# KiCad board signalmesh.kicad_pcb (continued)
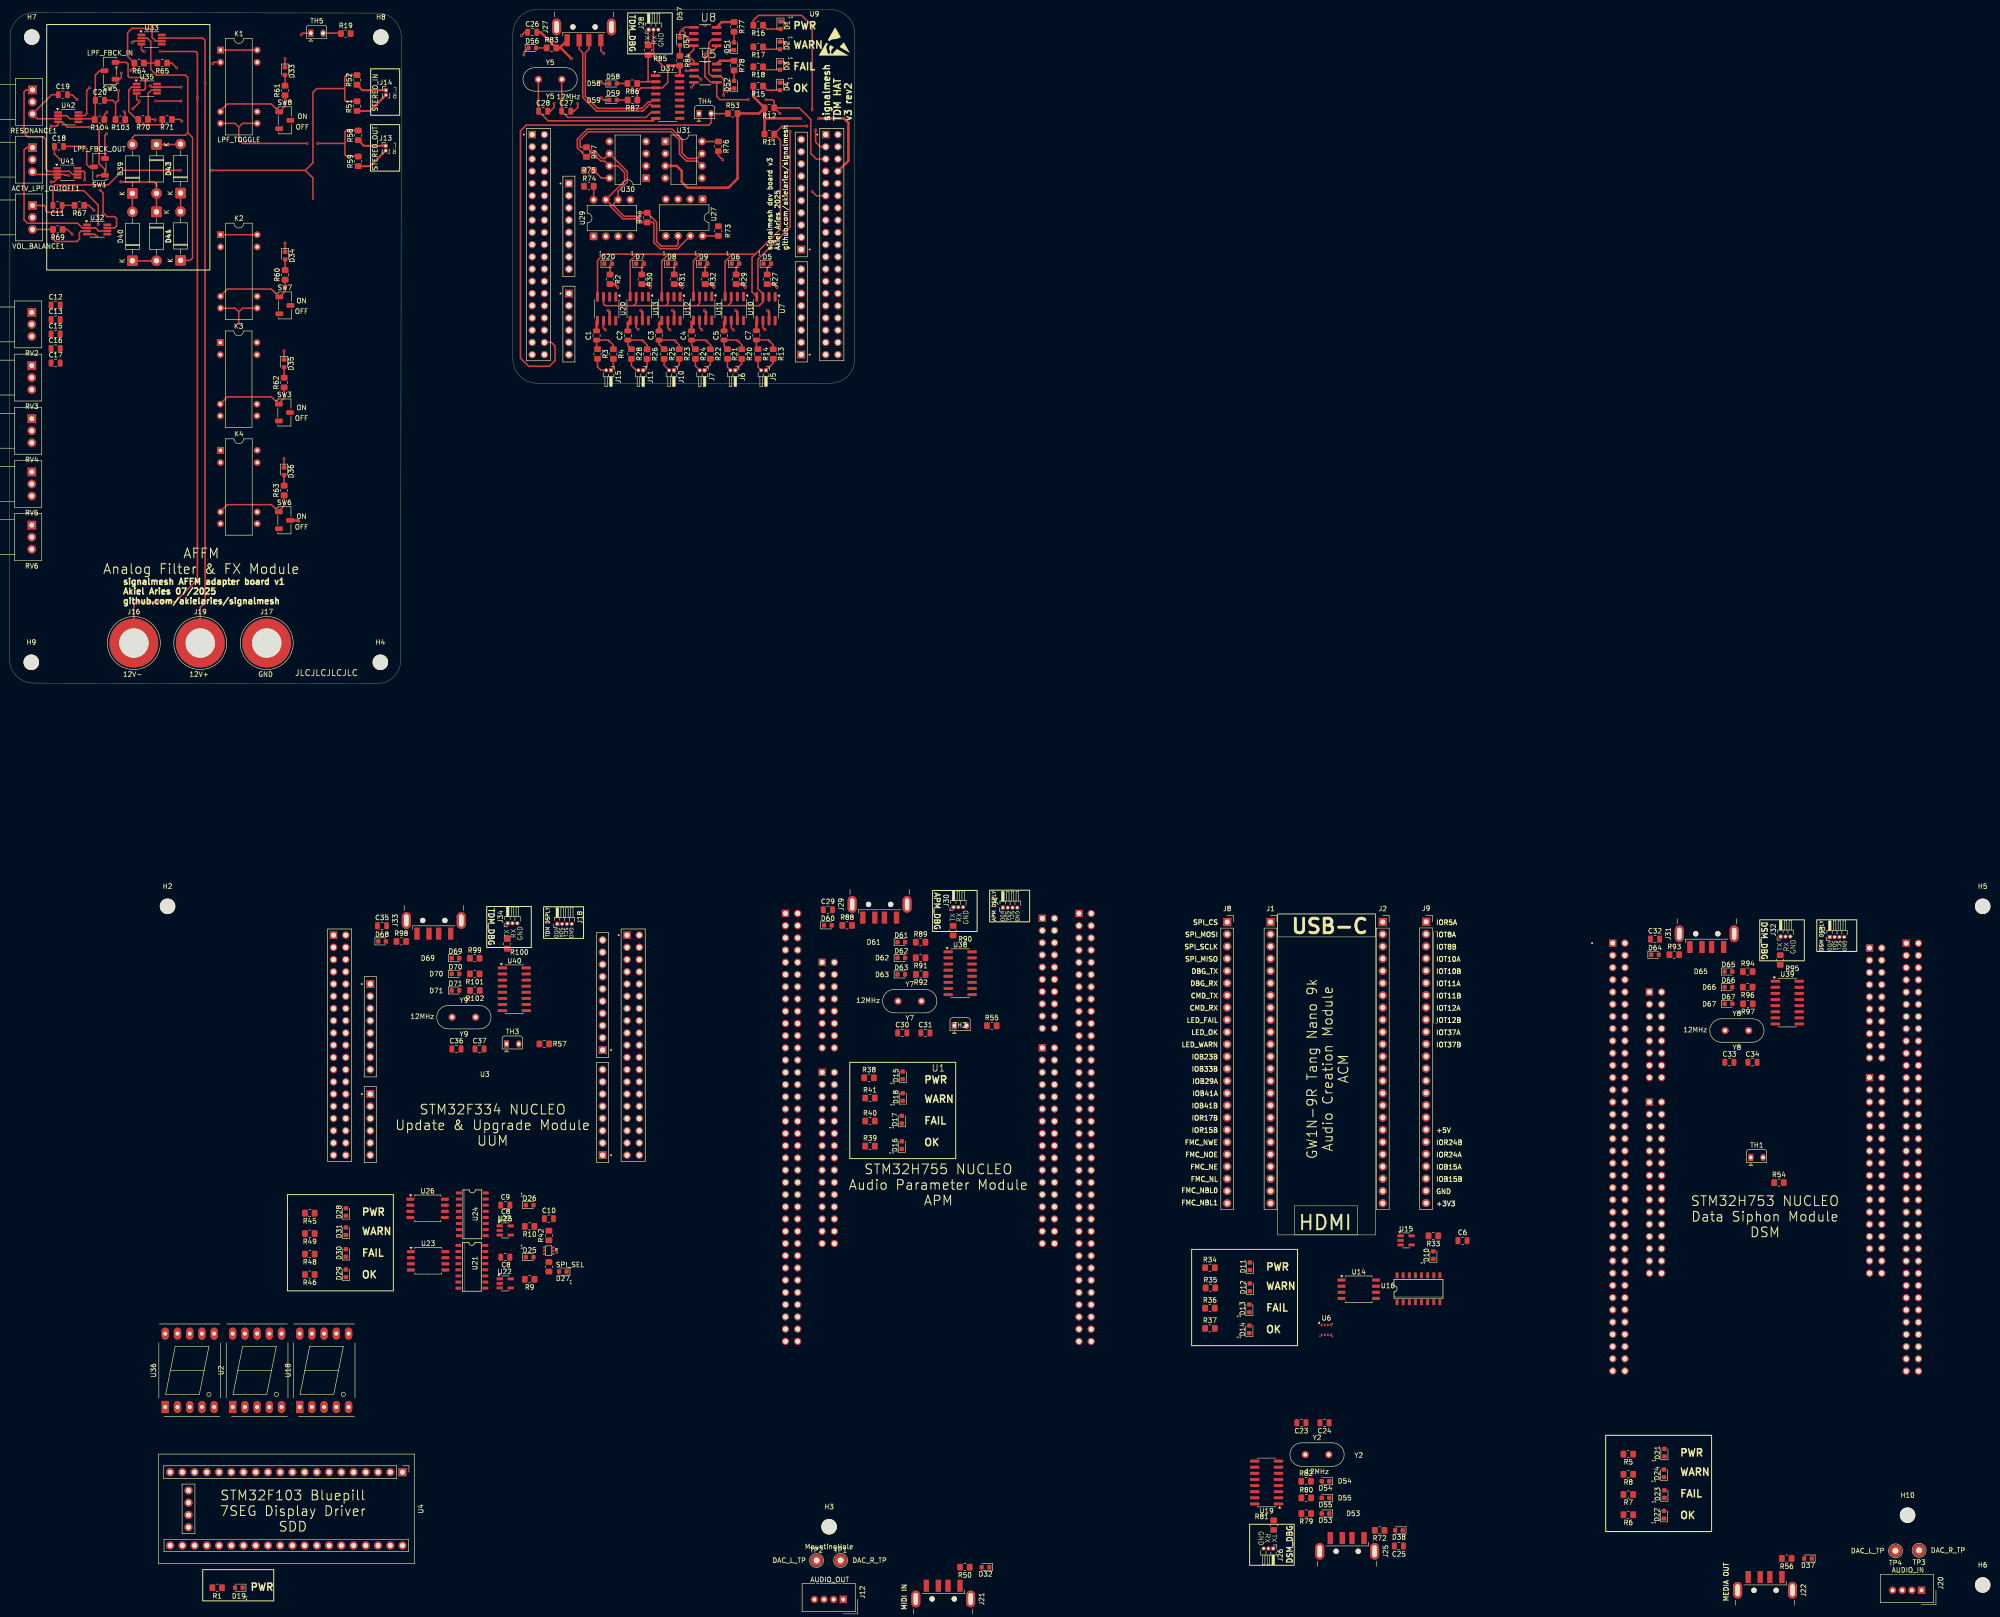
[diagram p0: board, top side]
## Placement (name value [footprint] x y rotation side) (continued)
TP2  DAC_L_TP  [TestPoint_THTPad_D2.5mm_Drill1.2mm]  167.6 -182.19 0 top
TP3  DAC_R_TP  [TestPoint_THTPad_D2.5mm_Drill1.2mm]  396.6 -180.09 270 top
TP4  DAC_L_TP  [TestPoint_THTPad_D2.5mm_Drill1.2mm]  391.7 -180.19 270 top
U1  NUCLEO-H753ZI  [MODULE_NUCLEO-H753ZI]  192.89 -82.69 0 top
U2  SM420561N  [7SegmentLED_LTS6760_LTS6780]  46.32 -150.31 90 top
U3  NUCLEO-F303RE  [ST_NUCLEO-F303RE]  99.03 -61.78 0 top
U4  YAAJ_BluePill_Part_Like  [YAAJ_WeAct_BlackPill_SWD_2]  81.6 -163.85 270 top
U5  24LC256-I_SN  [SOIC127P600X175-8N]  144.5 126.81 0 top
U6  BME280  [Bosch_LGA-8_2.5x2.5mm_P0.65mm_ClockwisePinNumbering]  273.48 -134.29 0 top
U7  INA219AxD  [SOIC-8_3.9x4.9mm_P1.27mm]  157.09 77.87 270 top
U8  24LC256-I_SN  [SOIC127P600X175-8N]  144.46 134.43 0 top
U9  NUCLEO-F446RE  [MODULE_NUCLEO-F446RE]  140.29 104.54 0 top
U10  INA219AxD  [SOIC-8_3.9x4.9mm_P1.27mm]  150.51 77.92 270 top
U11  INA219AxD  [SOIC-8_3.9x4.9mm_P1.27mm]  143.94 77.94 270 top
U12  INA219AxD  [SOIC-8_3.9x4.9mm_P1.27mm]  137.36 77.88 270 top
U13  INA219AxD  [SOIC-8_3.9x4.9mm_P1.27mm]  130.78 77.9 270 top
U14  W25Q128JVS  [SOIC-8_5.3x5.3mm_P1.27mm]  280.21 -125.85 0 top
U15  AP2112K-3.3  [SOT-23-5]  290.05 -115.7 0 top
U16  74HC4050D  [SO16]  292.62 -125.75 0 top
U17  NUCLEO-H753ZI  [MODULE_NUCLEO-H753ZI]  364.71 -88.86 0 top
U18  SM420561N  [7SegmentLED_LTS6760_LTS6780]  60.24 -150.31 90 top
U19  CH340G  [SOIC-16_3.9x9.9mm_P1.27mm]  261.07 -165.99 180 top
U20  INA219AxD  [SOIC-8_3.9x4.9mm_P1.27mm]  123.99 77.87 270 top
U21  74HC4050D  [SO16]  96 -121.18 270 top
U22  AP2112K-3.3  [SOT-23-5]  102.94 -124.63 0 top
U23  W25Q128JVS  [SOIC-8_5.3x5.3mm_P1.27mm]  86.92 -119.93 0 top
U24  74HC4050D  [SO16]  96.1 -110.28 270 top
U25  AP2112K-3.3  [SOT-23-5]  102.94 -113.63 0 top
U26  W25Q128JVS  [SOIC-8_5.3x5.3mm_P1.27mm]  86.81 -109.03 0 top
U27  MCP2551-I-P  [DIP-8_W7.62mm]  143.92 100.62 270 top
U28  74LVC1G3157  [SC70-6]  111.96 -117.83 270 top
U29  MCP2551-I-P  [DIP-8_W7.62mm]  121.29 92.91 90 top
U30  MCP2551-I-P  [DIP-8_W7.62mm]  132.21 105 180 top
U31  MCP2551-I-P  [DIP-8_W7.62mm]  136.19 112.62 0 top
U32  OPA196xDGK  [VSSOP-8_3x3mm_P0.65mm]  18.17 94.34 0 top
U33  OPA196xDGK  [VSSOP-8_3x3mm_P0.65mm]  29.49 133.79 0 top
U35  OPA196xDGK  [VSSOP-8_3x3mm_P0.65mm]  28.5 123.59 0 top
U36  SM420561N  [7SegmentLED_LTS6760_LTS6780]  32.32 -150.31 90 top
U37  CH340G  [SOIC-16_3.9x9.9mm_P1.27mm]  136.68 121.86 0 top
U38  CH340G  [SOIC-16_3.9x9.9mm_P1.27mm]  197.43 -60.18 0 top
U39  CH340G  [SOIC-16_3.9x9.9mm_P1.27mm]  369.23 -66.28 0 top
U40  CH340G  [SOIC-16_3.9x9.9mm_P1.27mm]  104.82 -63.52 0 top
U41  OPA196xDGK  [VSSOP-8_3x3mm_P0.65mm]  12 106.09 0 top
U42  OPA196xDGK  [VSSOP-8_3x3mm_P0.65mm]  12.17 117.67 0 top
VOL_BALANCE1  100k  [Potentiometer_Alps_RK09Y11_Single_Horizontal]  4.75 99.34 0 top
Y2  12MHz  [Crystal_HC49-4H_Vertical]  273.99 -160.19 180 top
Y5  12MHz  [Crystal_HC49-4H_Vertical]  114.7 125.51 180 top
Y7  12MHz  [Crystal_HC49-4H_Vertical]  184.51 -65.99 0 top
Y8  12MHz  [Crystal_HC49-4H_Vertical]  356.31 -72.09 0 top
Y9  12MHz  [Crystal_HC49-4H_Vertical]  91.91 -69.32 0 top

## Library data of the parts
ACTV_LPF_CUTOFF1 RESONANCE1 RV2-RV6 VOL_BALANCE1 = -: Description: Potentiometer; ki_fp_filters: Potentiometer*
C1-C13 C15-C20 C23-C37 = -: Description: Unpolarized capacitor, small symbol; ki_fp_filters: C_*
D1-D38 D51-D71 = -: Description: Light emitting diode; Sim.Pins: 1=K 2=A; ki_fp_filters: LED* LED_SMD:* LED_THT:*
D39-D44 = -: Datasheet: http://www.vishay.com/docs/88503/1n4001.pdf; Description: 50V 1A General Purpose Rectifier Diode, DO-41; Sim.Device: D; Sim.Pins: 1=K 2=A; ki_fp_filters: D*DO?41*
H2-H10 = -: Description: Mounting Hole without connection; ki_fp_filters: MountingHole*
J1 J2 J8 J9 = -: Description: Generic connector, single row, 01x24, script generated (kicad-library-utils/schlib/autogen/connector/); DigiKey_Part_Number: S7057-ND; Price: 1.142; ki_fp_filters: Connector*:*_1x??_*
J3 J4 J12 J18 J20 = -: Description: Generic connector, single row, 01x04, script generated (kicad-library-utils/schlib/autogen/connector/); ki_fp_filters: Connector*:*_1x??_*
J5-J7 J10 J11 J13-J15 = -: Description: Generic connector, single row, 01x02, script generated (kicad-library-utils/schlib/autogen/connector/); ki_fp_filters: Connector*:*_1x??_*
J16 J17 J19 = -: Description: Generic connector, single row, 01x01, script generated; ki_fp_filters: Connector*:*_1x??_*
J21 J22 J25 J27 J29 J31 J33 = -: Description: USB Type A connector; ki_fp_filters: USB*
J26 J28 J30 J32 J34 = -: Description: Generic connector, single row, 01x03, script generated (kicad-library-utils/schlib/autogen/connector/); ki_fp_filters: Connector*:*_1x??_*
K1-K4 = -: Datasheet: https://standexelectronics.com/wp-content/uploads/datasheet_reed_relay_DIP.pdf; Description: Standex Meder DIP reed relay, SPST, Closing Contact; ki_fp_filters: Relay*StandexMeder*DIP*LowProfile*
R1-R65 R67 R69-R104 = -: Description: Resistor; DigiKey_Part_Number: 311-10.0KCRCT-ND; Price: 0.0129; ki_fp_filters: R_*
SW1 SW3 SW5-SW8 = -: Datasheet: https://www.nidec-components.com/e/catalog/switch/cas.pdf; Description: Switch, single pole double throw; ki_fp_filters: *Nidec?Copal?CAS?120A*
TH1-TH5 = -: Description: Temperature dependent resistor; ki_fp_filters: R_*
TP1-TP4 = -: Description: test point; ki_fp_filters: Pin* Test*
U1 U17 = -: MF: STMicroelectronics; Description_1: STM32H753ZI Nucleo-144 STM32H7 ARM® Cortex®-M7 MCU 32-Bit Embedded Evaluation Board; Package: None; Price: None; Check_prices: https://www.snapeda.com/parts/NUCLEO-H753ZI/STMicroelectronics/view-part/?ref=eda; STANDARD: Manufacturer Recommendations; PARTREV: Rev. 2; SnapEDA_Link: https://www.snapeda.com/parts/NUCLEO-H753ZI/STMicroelectronics/view-part/?ref=snap; Availability: In Stock; MANUFACTURER: STMicroelectronics
U2 U18 U36 = -: Datasheet: https://datasheet.lcsc.com/szlcsc/Wuxi-ARK-Tech-Elec-SM420561N_C141367.pdf; Description: One digit 7 segment blue LED, common cathode; ki_fp_filters: 7SegmentLED?LTS6760?LTS6780*
U3 = -: MF: STMicroelectronics; MAXIMUM_PACKAGE_HEIGHT: N/A; Package: None; Price: None; Check_prices: https://www.snapeda.com/parts/NUCLEO-F303RE/STMicroelectronics/view-part/?ref=eda; STANDARD: Manufacturer recommendations; PARTREV: 14; SnapEDA_Link: https://www.snapeda.com/parts/NUCLEO-F303RE/STMicroelectronics/view-part/?ref=snap; Description_1: STM32F303RE, mbed-Enabled Development Nucleo-64 STM32F3 ARM® Cortex®-M4 MCU 32-Bit Embedded Evaluation Board; Availability: In Stock; MANUFACTURER: STMicroelectronics
U4 = -: Description: STM32 Blue Pill ; not KLC compliant
U5 U8 = -: MF: Microchip; Description_1: Microchip 24LC256-I/SN Serial EEPROM Memory,256kbit,900ns,2.5 to 5.5V 8-Pin SOIC | Microchip Technology Inc. 24LC256-I/SN; PACKAGE: SOIC-8; MPN: 24LC256-I/SN; Price: None; Package: SO-8 Microchip; OC_FARNELL: 1579573; SnapEDA_Link: https://www.snapeda.com/parts/24LC256-I/SN/Microchip/view-part/?ref=snap; MP: 24LC256-I/SN; SUPPLIER: MICROCHIP; OC_NEWARK: 92C7171; Availability: In Stock; Check_prices: https://www.snapeda.com/parts/24LC256-I/SN/Microchip/view-part/?ref=eda
U6 = -: Datasheet: https://www.bosch-sensortec.com/media/boschsensortec/downloads/datasheets/bst-bme280-ds002.pdf; Description: 3-in-1 sensor, humidity, pressure, temperature, I2C and SPI interface, 1.71-3.6V, LGA-8; ki_fp_filters: *LGA*2.5x2.5mm*P0.65mm*Clockwise*
U7 U10-U13 U20 = -: Datasheet: http://www.ti.com/lit/ds/symlink/ina219.pdf; Description: Zero-Drift, Bidirectional Current/Power Monitor (0-26V) With I2C Interface, SOIC-8; ki_fp_filters: SOIC*3.9x4.9mm*P1.27mm*
U9 = -: MF: STMicroelectronics; Package: None; Price: None; Check_prices: https://www.snapeda.com/parts/NUCLEO-F446RE/STMicroelectronics/view-part/?ref=eda; STANDARD: Manufacturer Recommendations; PARTREV: 13; SnapEDA_Link: https://www.snapeda.com/parts/NUCLEO-F446RE/STMicroelectronics/view-part/?ref=snap; Description_1: STM32F446RE, mbed-Enabled Development Nucleo-64 STM32F4 ARM® Cortex®-M4 MCU 32-Bit Embedded Evaluation Board; Availability: In Stock; MANUFACTURER: STMicroelectronics
U14 U23 U26 = -: Datasheet: https://www.winbond.com/resource-files/w25q128jv_dtr%20revc%2003272018%20plus.pdf; Description: 128Mbit / 16MiB Serial Flash Memory, Standard/Dual/Quad SPI, 2.7-3.6V, SOIC-8; ki_fp_filters: *SOIC*5.3x5.3mm*P1.27mm*
U15 U22 U25 = -: Datasheet: https://www.diodes.com/assets/Datasheets/AP2112.pdf; Description: 600mA low dropout linear regulator, with enable pin, 3.8V-6V input voltage range, 3.3V fixed positive output, SOT-23-5; ki_fp_filters: SOT?23?5*
U16 U21 U24 = -: MF: Toshiba; Description_1: Buffer, Non-Inverting 6 Element 1 Bit per Element - Output 16-SOIC; Package: SOIC-16 ON Semiconductor; Price: None; SnapEDA_Link: https://www.snapeda.com/parts/74HC4050D/Toshiba/view-part/?ref=snap; Availability: In Stock; Check_prices: https://www.snapeda.com/parts/74HC4050D/Toshiba/view-part/?ref=eda
U19 U37-U40 = -: Datasheet: http://www.datasheet5.com/pdf-local-2195953; Description: USB serial converter, UART, SOIC-16; ki_fp_filters: SOIC*3.9x9.9mm*P1.27mm*
U27 U29-U31 = -: Datasheet: http://ww1.microchip.com/downloads/en/devicedoc/21667d.pdf; Description: High-Speed CAN Transceiver, 1Mbps, 5V supply, DIP-8; ki_fp_filters: DIP*W7.62mm*
U28 = -: Datasheet: http://www.ti.com/lit/sg/scyt129e/scyt129e.pdf; Description: SPDT Analog Switch, Low-Voltage CMOS; ki_fp_filters: SOT* SC*
U32 U33 U35 U41 U42 = -: Datasheet: http://www.ti.com/lit/ds/symlink/opa4196.pdf; Description: Single, Low-Power, Low Offset Voltage, Rail-to-Rail Operational Amplifier, VSSOP-8; ki_fp_filters: VSSOP*3x3mm*P0.65mm*
Y2 Y5 Y7-Y9 = -: Description: Two pin crystal; ki_fp_filters: Crystal*

## Footprints (pads in the part's own frame, mm; a bottom-side part is the same pattern mirrored in y, then rotated)
7SegmentLED_LTS6760_LTS6780
  rect 2.524x1.524 hole 0.8: 1(0,0)
  oval 2.524x1.524 hole 0.8: 2(0,-2.54) 3(0,-5.08) 4(0,-7.62) 5(0,-10.16) 6(15.24,-10.16) 7(15.24,-7.62) 8(15.24,-5.08) 9(15.24,-2.54) 10(15.24,0)
Banana_Jack_1Pin
  round 10.16 hole 6.1: 1(0,0)
Bosch_LGA-8_2.5x2.5mm_P0.65mm_ClockwisePinNumbering
  rect 0.35x0.5 smd: 1(-0.975,1.025) 2(-0.325,1.025) 3(0.325,1.025) 4(0.975,1.025) 5(0.975,-1.025) 6(0.325,-1.025) 7(-0.325,-1.025) 8(-0.975,-1.025)
C_0805_2012Metric
  rrect 1x1.45 smd: 1(-0.95,0) 2(0.95,0)
Crystal_HC49-4H_Vertical
  round 1.5 hole 0.8: 1(0,0) 2(4.88,0)
D_DO-41_SOD81_P10.16mm_Horizontal
  rrect 2.2x2.2 hole 1.1: 1(0,0)
  round 2.2 hole 1.1: 2(10.16,0)
DIP-8_W7.62mm
  rrect 1.6x1.6 hole 0.8: 1(0,0)
  round 1.6 hole 0.8: 2(0,-2.54) 3(0,-5.08) 4(0,-7.62) 5(7.62,-7.62) 6(7.62,-5.08) 7(7.62,-2.54) 8(7.62,0)
Heraeus_TO-92-2
  rect 1.05x1.5 hole 0.75: 1(0,0)
  oval 1.05x1.5 hole 0.75: 2(2.54,0)
LED_0603_1608Metric
  rrect 0.875x0.95 smd: 1(-0.787,0) 2(0.787,0)
MODULE_NUCLEO-F446RE
  rect 1.605x1.605 hole 1.07: CN5_1(24.13,-14.37) CN6_1(-24.13,-0.65) CN8_1(-24.13,-23.51) CN9_1(24.13,-36.21)
  round 1.605 hole 1.07: CN5_2(24.13,-11.83) CN5_3(24.13,-9.29) CN5_4(24.13,-6.75) CN5_5(24.13,-4.21) CN5_6(24.13,-1.67) CN5_7(24.13,0.87) CN5_8(24.13,3.41) CN5_9(24.13,5.95) CN5_10(24.13,8.49) CN6_2(-24.13,-3.19) CN6_3(-24.13,-5.73) CN6_4(-24.13,-8.27) CN6_5(-24.13,-10.81) CN6_6(-24.13,-13.35) CN6_7(-24.13,-15.89) CN6_8(-24.13,-18.43) CN8_2(-24.13,-26.05) CN8_3(-24.13,-28.59) CN8_4(-24.13,-31.13) CN8_5(-24.13,-33.67) CN8_6(-24.13,-36.21) CN9_2(24.13,-33.67) CN9_3(24.13,-31.13) CN9_4(24.13,-28.59) CN9_5(24.13,-26.05) CN9_6(24.13,-23.51) CN9_7(24.13,-20.97) CN9_8(24.13,-18.43)
  rect 1.53x1.53 hole 1.02: CN7_1(-31.75,9.51) CN10_1(29.21,9.51)
  round 1.53 hole 1.02: CN7_2(-29.21,9.51) CN7_3(-31.75,6.97) CN7_4(-29.21,6.97) CN7_5(-31.75,4.43) CN7_6(-29.21,4.43) CN7_7(-31.75,1.89) CN7_8(-29.21,1.89) CN7_9(-31.75,-0.65) CN7_10(-29.21,-0.65) CN7_11(-31.75,-3.19) CN7_12(-29.21,-3.19) CN7_13(-31.75,-5.73) CN7_14(-29.21,-5.73) CN7_15(-31.75,-8.27) CN7_16(-29.21,-8.27) CN7_17(-31.75,-10.81) CN7_18(-29.21,-10.81) CN7_19(-31.75,-13.35) CN7_20(-29.21,-13.35) CN7_21(-31.75,-15.89) CN7_22(-29.21,-15.89) CN7_23(-31.75,-18.43) CN7_24(-29.21,-18.43) CN7_25(-31.75,-20.97) CN7_26(-29.21,-20.97) CN7_27(-31.75,-23.51) CN7_28(-29.21,-23.51) CN7_29(-31.75,-26.05) CN7_30(-29.21,-26.05) CN7_31(-31.75,-28.59) CN7_32(-29.21,-28.59) CN7_33(-31.75,-31.13) CN7_34(-29.21,-31.13) CN7_35(-31.75,-33.67) CN7_36(-29.21,-33.67) CN7_37(-31.75,-36.21) CN7_38(-29.21,-36.21) CN10_2(31.75,9.51) CN10_3(29.21,6.97) CN10_4(31.75,6.97) CN10_5(29.21,4.43) CN10_6(31.75,4.43) CN10_7(29.21,1.89) CN10_8(31.75,1.89) CN10_9(29.21,-0.65) CN10_10(31.75,-0.65) CN10_11(29.21,-3.19) CN10_12(31.75,-3.19) CN10_13(29.21,-5.73) CN10_14(31.75,-5.73) CN10_15(29.21,-8.27) CN10_16(31.75,-8.27) CN10_17(29.21,-10.81) CN10_18(31.75,-10.81) CN10_19(29.21,-13.35) CN10_20(31.75,-13.35) CN10_21(29.21,-15.89) CN10_22(31.75,-15.89) CN10_23(29.21,-18.43) CN10_24(31.75,-18.43) CN10_25(29.21,-20.97) CN10_26(31.75,-20.97) CN10_27(29.21,-23.51) CN10_28(31.75,-23.51) CN10_29(29.21,-26.05) CN10_30(31.75,-26.05) CN10_31(29.21,-28.59) CN10_32(31.75,-28.59) CN10_33(29.21,-31.13) CN10_34(31.75,-31.13) CN10_35(29.21,-33.67) CN10_36(31.75,-33.67) CN10_37(29.21,-36.21) CN10_38(31.75,-36.21)
MODULE_NUCLEO-H753ZI
  rect 1.508x1.508 hole 1: CN7_1(21.59,33.914) CN8_1(-24.13,24.77) CN9_1(-24.13,1.91) CN10_1(21.59,6.99) CN11_1(-31.75,34.93) CN12_1(29.21,34.91)
  round 1.508 hole 1: CN7_2(24.13,33.914) CN7_3(21.59,31.374) CN7_4(24.13,31.374) CN7_5(21.59,28.834) CN7_6(24.13,28.834) CN7_7(21.59,26.294) CN7_8(24.13,26.294) CN7_9(21.59,23.754) CN7_10(24.13,23.754) CN7_11(21.59,21.214) CN7_12(24.13,21.214) CN7_13(21.59,18.674) CN7_14(24.13,18.674) CN7_15(21.59,16.134) CN7_16(24.13,16.134) CN7_17(21.59,13.594) CN7_18(24.13,13.594) CN7_19(21.59,11.054) CN7_20(24.13,11.054) CN8_2(-21.59,24.77) CN8_3(-24.13,22.23) CN8_4(-21.59,22.23) CN8_5(-24.13,19.69) CN8_6(-21.59,19.69) CN8_7(-24.13,17.15) CN8_8(-21.59,17.15) CN8_9(-24.13,14.61) CN8_10(-21.59,14.61) CN8_11(-24.13,12.07) CN8_12(-21.59,12.07) CN8_13(-24.13,9.53) CN8_14(-21.59,9.53) CN8_15(-24.13,6.99) CN8_16(-21.59,6.99) CN9_2(-21.59,1.91) CN9_3(-24.13,-0.63) CN9_4(-21.59,-0.63) CN9_5(-24.13,-3.17) CN9_6(-21.59,-3.17) CN9_7(-24.13,-5.71) CN9_8(-21.59,-5.71) CN9_9(-24.13,-8.25) CN9_10(-21.59,-8.25) CN9_11(-24.13,-10.79) CN9_12(-21.59,-10.79) CN9_13(-24.13,-13.33) CN9_14(-21.59,-13.33) CN9_15(-24.13,-15.87) CN9_16(-21.59,-15.87) CN9_17(-24.13,-18.41) CN9_18(-21.59,-18.41) CN9_19(-24.13,-20.95) CN9_20(-21.59,-20.95) CN9_21(-24.13,-23.49) CN9_22(-21.59,-23.49) CN9_23(-24.13,-26.03) CN9_24(-21.59,-26.03) CN9_25(-24.13,-28.57) CN9_26(-21.59,-28.57) CN9_27(-24.13,-31.11) CN9_28(-21.59,-31.11) CN9_29(-24.13,-33.65) CN9_30(-21.59,-33.65) CN10_2(24.13,6.99) CN10_3(21.59,4.45) CN10_4(24.13,4.45) CN10_5(21.59,1.91) CN10_6(24.13,1.91) CN10_7(21.59,-0.63) CN10_8(24.13,-0.63) CN10_9(21.59,-3.17) CN10_10(24.13,-3.17) CN10_11(21.59,-5.71) CN10_12(24.13,-5.71) CN10_13(21.59,-8.25) CN10_14(24.13,-8.25) CN10_15(21.59,-10.79) CN10_16(24.13,-10.79) CN10_17(21.59,-13.33) CN10_18(24.13,-13.33) CN10_19(21.59,-15.87) CN10_20(24.13,-15.87) CN10_21(21.59,-18.41) CN10_22(24.13,-18.41) CN10_23(21.59,-20.95) CN10_24(24.13,-20.95) CN10_25(21.59,-23.49) CN10_26(24.13,-23.49) CN10_27(21.59,-26.03) CN10_28(24.13,-26.03) CN10_29(21.59,-28.57) CN10_30(24.13,-28.57) CN10_31(21.59,-31.11) CN10_32(24.13,-31.11) CN10_33(21.59,-33.65) CN10_34(24.13,-33.65) CN11_2(-29.21,34.93) CN11_3(-31.75,32.39) CN11_4(-29.21,32.39) CN11_5(-31.75,29.85) CN11_6(-29.21,29.85) CN11_7(-31.75,27.31) CN11_8(-29.21,27.31) CN11_9(-31.75,24.77) CN11_10(-29.21,24.77) CN11_11(-31.75,22.23) CN11_12(-29.21,22.23) CN11_13(-31.75,19.69) CN11_14(-29.21,19.69) CN11_15(-31.75,17.15) CN11_16(-29.21,17.15) CN11_17(-31.75,14.61) CN11_18(-29.21,14.61) CN11_19(-31.75,12.07) CN11_20(-29.21,12.07) CN11_21(-31.75,9.53) CN11_22(-29.21,9.53) CN11_23(-31.75,6.99) CN11_24(-29.21,6.99) CN11_25(-31.75,4.45) CN11_26(-29.21,4.45) CN11_27(-31.75,1.91) CN11_28(-29.21,1.91) CN11_29(-31.75,-0.63) CN11_30(-29.21,-0.63) CN11_31(-31.75,-3.17) CN11_32(-29.21,-3.17) CN11_33(-31.75,-5.71) CN11_34(-29.21,-5.71) CN11_35(-31.75,-8.25) CN11_36(-29.21,-8.25) CN11_37(-31.75,-10.79) CN11_38(-29.21,-10.79) CN11_39(-31.75,-13.33) CN11_40(-29.21,-13.33) CN11_41(-31.75,-15.87) CN11_42(-29.21,-15.87) CN11_43(-31.75,-18.41) CN11_44(-29.21,-18.41) CN11_45(-31.75,-20.95) CN11_46(-29.21,-20.95) CN11_47(-31.75,-23.49) CN11_48(-29.21,-23.49) CN11_49(-31.75,-26.03) CN11_50(-29.21,-26.03) CN11_51(-31.75,-28.57) CN11_52(-29.21,-28.57) CN11_53(-31.75,-31.11) CN11_54(-29.21,-31.11) CN11_55(-31.75,-33.65) CN11_56(-29.21,-33.65) CN11_57(-31.75,-36.19) CN11_58(-29.21,-36.19) CN11_59(-31.75,-38.73) CN11_60(-29.21,-38.73) CN11_61(-31.75,-41.27) CN11_62(-29.21,-41.27) CN11_63(-31.75,-43.81) CN11_64(-29.21,-43.81) CN11_65(-31.75,-46.35) CN11_66(-29.21,-46.35) CN11_67(-31.75,-48.89) CN11_68(-29.21,-48.89) CN11_69(-31.75,-51.43) CN11_70(-29.21,-51.43) CN11_71(-31.75,-53.97) CN11_72(-29.21,-53.97) CN12_2(31.75,34.91) CN12_3(29.21,32.37) CN12_4(31.75,32.37) CN12_5(29.21,29.83) CN12_6(31.75,29.83) CN12_7(29.21,27.29) CN12_8(31.75,27.29) CN12_9(29.21,24.75) CN12_10(31.75,24.75) CN12_11(29.21,22.21) CN12_12(31.75,22.21) CN12_13(29.21,19.67) CN12_14(31.75,19.67) CN12_15(29.21,17.13) CN12_16(31.75,17.13) CN12_17(29.21,14.59) CN12_18(31.75,14.59) CN12_19(29.21,12.05) CN12_20(31.75,12.05) CN12_21(29.21,9.51) CN12_22(31.75,9.51) CN12_23(29.21,6.97) CN12_24(31.75,6.97) CN12_25(29.21,4.43) CN12_26(31.75,4.43) CN12_27(29.21,1.89) CN12_28(31.75,1.89) CN12_29(29.21,-0.65) CN12_30(31.75,-0.65) CN12_31(29.21,-3.19) CN12_32(31.75,-3.19) CN12_33(29.21,-5.73) CN12_34(31.75,-5.73) CN12_35(29.21,-8.27) CN12_36(31.75,-8.27) CN12_37(29.21,-10.81) CN12_38(31.75,-10.81) CN12_39(29.21,-13.35) CN12_40(31.75,-13.35) CN12_41(29.21,-15.89) CN12_42(31.75,-15.89) CN12_43(29.21,-18.43) CN12_44(31.75,-18.43) CN12_45(29.21,-20.97) CN12_46(31.75,-20.97) CN12_47(29.21,-23.51) CN12_48(31.75,-23.51) CN12_49(29.21,-26.05) CN12_50(31.75,-26.05) CN12_51(29.21,-28.59) CN12_52(31.75,-28.59) CN12_53(29.21,-31.13) CN12_54(31.75,-31.13) CN12_55(29.21,-33.67) CN12_56(31.75,-33.67) CN12_57(29.21,-36.21) CN12_58(31.75,-36.21) CN12_59(29.21,-38.75) CN12_60(31.75,-38.75) CN12_61(29.21,-41.29) CN12_62(31.75,-41.29) CN12_63(29.21,-43.83) CN12_64(31.75,-43.83) CN12_65(29.21,-46.37) CN12_66(31.75,-46.37) CN12_67(29.21,-48.91) CN12_68(31.75,-48.91) CN12_69(29.21,-51.45) CN12_70(31.75,-51.45) CN12_71(29.21,-53.99) CN12_72(31.75,-53.99)
MountingHole_3.2mm_M3
  round 3.2 hole 3.2 unplated: (0,0)
Nidec_Copal_CAS-120A
  rrect 1.6x1 smd: 1(-1.15,1.75) 2(1.15,0) 3(-1.15,-1.75)
NS-Tech_Grove_1x04_P2mm_Vertical
  rect 1.524x1.524 hole 0.762: 1(0,0)
  round 1.524 hole 0.762: 2(0,-2) 3(0,-4) 4(0,-6)
PinHeader_1x02_P1.00mm_Horizontal
  rect 0.85x0.85 hole 0.5: 1(0,0)
  round 0.85 hole 0.5: 2(0,-1)
PinHeader_1x02_P1.00mm_Vertical
  rect 0.85x0.85 hole 0.5: 1(0,0)
  round 0.85 hole 0.5: 2(0,-1)
PinHeader_1x03_P1.00mm_Horizontal
  rect 0.85x0.85 hole 0.5: 1(0,0)
  round 0.85 hole 0.5: 2(0,-1) 3(0,-2)
PinHeader_1x04_P1.00mm_Horizontal
  rect 0.85x0.85 hole 0.5: 1(0,0)
  round 0.85 hole 0.5: 2(0,-1) 3(0,-2) 4(0,-3)
PinSocket_1x24_P2.54mm_Vertical
  rect 1.7x1.7 hole 1: 1(0,0)
  round 1.7 hole 1: 2(0,-2.54) 3(0,-5.08) 4(0,-7.62) 5(0,-10.16) 6(0,-12.7) 7(0,-15.24) 8(0,-17.78) 9(0,-20.32) 10(0,-22.86) 11(0,-25.4) 12(0,-27.94) 13(0,-30.48) 14(0,-33.02) 15(0,-35.56) 16(0,-38.1) 17(0,-40.64) 18(0,-43.18) 19(0,-45.72) 20(0,-48.26) 21(0,-50.8) 22(0,-53.34) 23(0,-55.88) 24(0,-58.42)
Potentiometer_Alps_RK09Y11_Single_Horizontal
  rect 1.8x1.8 hole 1: 1(0,0)
  round 1.8 hole 1: 2(0,-2.5) 3(0,-5)
R_0805_2012Metric_Pad1.20x1.40mm_HandSolder
  rrect 1.2x1.4 smd: 1(-1,0) 2(1,0)
Relay_StandexMeder_DIP_LowProfile
  rect 1.4x1.4 hole 0.7: 1(0,0)
  round 1.4 hole 0.7: 2(0,-2.54) 6(0,-12.8) 7(0,-15.24) 8(7.62,-15.24) 9(7.62,-12.8) 13(7.62,-2.54) 14(7.62,0)
SC70-6
  rect 0.4x0.5 smd: 1(-0.65,-0.95) 2(0,-0.95) 3(0.65,-0.95) 4(0.65,0.95) 5(0,0.95) 6(-0.65,0.95)
SO16
  rect 0.6x1.2 smd: 1(-4.445,-2.8) 2(-3.175,-2.8) 3(-1.905,-2.8) 4(-0.635,-2.8) 5(0.635,-2.8) 6(1.905,-2.8) 7(3.175,-2.8) 8(4.445,-2.8) 9(4.445,2.8) 10(3.175,2.8) 11(1.905,2.8) 12(0.635,2.8) 13(-0.635,2.8) 14(-1.905,2.8) 15(-3.175,2.8) 16(-4.445,2.8)
SOIC127P600X175-8N
  rect 1.981x0.559 smd: 1(-2.362,1.905) 2(-2.362,0.635) 3(-2.362,-0.635) 4(-2.362,-1.905) 5(2.362,-1.905) 6(2.362,-0.635) 7(2.362,0.635) 8(2.362,1.905)
SOIC-8_3.9x4.9mm_P1.27mm
  rrect 1.95x0.6 smd: 1(-2.475,1.905) 2(-2.475,0.635) 3(-2.475,-0.635) 4(-2.475,-1.905) 5(2.475,-1.905) 6(2.475,-0.635) 7(2.475,0.635) 8(2.475,1.905)
SOIC-8_5.3x5.3mm_P1.27mm
  rrect 1.625x0.65 smd: 1(-3.587,1.905) 2(-3.587,0.635) 3(-3.587,-0.635) 4(-3.587,-1.905) 5(3.587,-1.905) 6(3.587,-0.635) 7(3.587,0.635) 8(3.587,1.905)
SOIC-16_3.9x9.9mm_P1.27mm
  rrect 1.95x0.6 smd: 1(-2.475,4.445) 2(-2.475,3.175) 3(-2.475,1.905) 4(-2.475,0.635) 5(-2.475,-0.635) 6(-2.475,-1.905) 7(-2.475,-3.175) 8(-2.475,-4.445) 9(2.475,-4.445) 10(2.475,-3.175) 11(2.475,-1.905) 12(2.475,-0.635) 13(2.475,0.635) 14(2.475,1.905) 15(2.475,3.175) 16(2.475,4.445)
SOT-23-5
  rrect 1.325x0.6 smd: 1(-1.137,0.95) 2(-1.137,0) 3(-1.137,-0.95) 4(1.137,-0.95) 5(1.137,0.95)
ST_NUCLEO-F303RE
  rect 1.605x1.605 hole 1.07: CN5_1(24.13,-14.37) CN6_1(-24.13,-0.65) CN8_1(-24.13,-23.51) CN9_1(24.13,-36.21)
  round 1.605 hole 1.07: CN5_2(24.13,-11.83) CN5_3(24.13,-9.29) CN5_4(24.13,-6.75) CN5_5(24.13,-4.21) CN5_6(24.13,-1.67) CN5_7(24.13,0.87) CN5_8(24.13,3.41) CN5_9(24.13,5.95) CN5_10(24.13,8.49) CN6_2(-24.13,-3.19) CN6_3(-24.13,-5.73) CN6_4(-24.13,-8.27) CN6_5(-24.13,-10.81) CN6_6(-24.13,-13.35) CN6_7(-24.13,-15.89) CN6_8(-24.13,-18.43) CN8_2(-24.13,-26.05) CN8_3(-24.13,-28.59) CN8_4(-24.13,-31.13) CN8_5(-24.13,-33.67) CN8_6(-24.13,-36.21) CN9_2(24.13,-33.67) CN9_3(24.13,-31.13) CN9_4(24.13,-28.59) CN9_5(24.13,-26.05) CN9_6(24.13,-23.51) CN9_7(24.13,-20.97) CN9_8(24.13,-18.43)
  rect 1.53x1.53 hole 1.02: CN7_1(-31.75,9.51) CN10_1(29.21,9.51)
  round 1.53 hole 1.02: CN7_2(-29.21,9.51) CN7_3(-31.75,6.97) CN7_4(-29.21,6.97) CN7_5(-31.75,4.43) CN7_6(-29.21,4.43) CN7_7(-31.75,1.89) CN7_8(-29.21,1.89) CN7_9(-31.75,-0.65) CN7_10(-29.21,-0.65) CN7_11(-31.75,-3.19) CN7_12(-29.21,-3.19) CN7_13(-31.75,-5.73) CN7_14(-29.21,-5.73) CN7_15(-31.75,-8.27) CN7_16(-29.21,-8.27) CN7_17(-31.75,-10.81) CN7_18(-29.21,-10.81) CN7_19(-31.75,-13.35) CN7_20(-29.21,-13.35) CN7_21(-31.75,-15.89) CN7_22(-29.21,-15.89) CN7_23(-31.75,-18.43) CN7_24(-29.21,-18.43) CN7_25(-31.75,-20.97) CN7_26(-29.21,-20.97) CN7_27(-31.75,-23.51) CN7_28(-29.21,-23.51) CN7_29(-31.75,-26.05) CN7_30(-29.21,-26.05) CN7_31(-31.75,-28.59) CN7_32(-29.21,-28.59) CN7_33(-31.75,-31.13) CN7_34(-29.21,-31.13) CN7_35(-31.75,-33.67) CN7_36(-29.21,-33.67) CN7_37(-31.75,-36.21) CN7_38(-29.21,-36.21) CN10_2(31.75,9.51) CN10_3(29.21,6.97) CN10_4(31.75,6.97) CN10_5(29.21,4.43) CN10_6(31.75,4.43) CN10_7(29.21,1.89) CN10_8(31.75,1.89) CN10_9(29.21,-0.65) CN10_10(31.75,-0.65) CN10_11(29.21,-3.19) CN10_12(31.75,-3.19) CN10_13(29.21,-5.73) CN10_14(31.75,-5.73) CN10_15(29.21,-8.27) CN10_16(31.75,-8.27) CN10_17(29.21,-10.81) CN10_18(31.75,-10.81) CN10_19(29.21,-13.35) CN10_20(31.75,-13.35) CN10_21(29.21,-15.89) CN10_22(31.75,-15.89) CN10_23(29.21,-18.43) CN10_24(31.75,-18.43) CN10_25(29.21,-20.97) CN10_26(31.75,-20.97) CN10_27(29.21,-23.51) CN10_28(31.75,-23.51) CN10_29(29.21,-26.05) CN10_30(31.75,-26.05) CN10_31(29.21,-28.59) CN10_32(31.75,-28.59) CN10_33(29.21,-31.13) CN10_34(31.75,-31.13) CN10_35(29.21,-33.67) CN10_36(31.75,-33.67) CN10_37(29.21,-36.21) CN10_38(31.75,-36.21)
TestPoint_THTPad_D2.5mm_Drill1.2mm
  round 2.5 hole 1.2: 1(0,0)
USB_A_CNCTech_1001-011-01101_Horizontal
  round 1.1 hole 1.1 unplated: (-6.9,2.3) (-6.9,-2.3)
  rect 2.5x1.1 smd: 1(-9.65,3.5) 2(-9.65,1) 3(-9.65,-1) 4(-9.65,-3.5)
  oval 3.5x1.9 hole 2.5x0.9: 5(-6.9,5.7) 5(-6.9,-5.7)
VSSOP-8_3x3mm_P0.65mm
  rrect 1.625x0.5 smd: 1(-2.112,0.975) 2(-2.112,0.325) 3(-2.112,-0.325) 4(-2.112,-0.975) 5(2.112,-0.975) 6(2.112,-0.325) 7(2.112,0.325) 8(2.112,0.975)
YAAJ_WeAct_BlackPill_SWD_2
  rect 1.7x1.7 hole 1: 1(0,0)
  round 1.7 hole 1: 2(0,-2.54) 3(0,-5.08) 4(0,-7.62) 5(0,-10.16) 6(0,-12.7) 7(0,-15.24) 8(0,-17.78) 9(0,-20.32) 10(0,-22.86) 11(0,-25.4) 12(0,-27.94) 13(0,-30.48) 14(0,-33.02) 15(0,-35.56) 16(0,-38.1) 17(0,-40.64) 18(0,-43.18) 19(0,-45.72) 20(0,-48.26) 21(15.24,-48.26) 22(15.24,-45.72) 23(15.24,-43.18) 24(15.24,-40.64) 25(15.24,-38.1) 26(15.24,-35.56) 27(15.24,-33.02) 28(15.24,-30.48) 29(15.24,-27.94) 30(15.24,-25.4) 31(15.24,-22.86) 32(15.24,-20.32) 33(15.24,-17.78) 34(15.24,-15.24) 35(15.24,-12.7) 36(15.24,-10.16) 37(15.24,-7.62) 38(15.24,-5.08) 39(15.24,-2.54) 40(15.24,0) 41(11.432,-44.449) 42(8.892,-44.449) 43(6.352,-44.449) 44(3.812,-44.449)

## Nets
3V3_ACM: J2.24 J9.24 U14.3 U14.7 U16.1
5V_7SDD: R1.2 U4.18 U20.8
5V_ACM: U10.8
5V_APM: U13.8
5V_DSM: U11.8
5V_TDM: C1.2 C2.2 C3.2 C4.2 C5.2 C7.2 U7.5 U7.8 U10.5 U11.5 U12.5 U13.5 U20.5
5V_UUM: U12.8
/AFFM/AFFM_filters/LPFs/12V+: J19.1 U32.7 U33.7 U35.7 U41.7 U42.7
/AFFM/AFFM_filters/LPFs/12V-: J16.1 U32.4 U33.4 U35.4 U41.4 U42.4
GND: C1.1 C2.1 C3.1 C4.1 C5.1 C6.2 C7.1 C8.2 C9.2 C10.2 C15.1 C17.1 C19.2 C23.2 C24.2 C25.1 C26.1 C27.2 C28.2 C29.1 C30.2 C31.2 C32.1 C33.2 C34.2 C35.1 C36.2 C37.2 D1.1 D2.1 D3.1 D4.1 D5.1 D6.1 D7.1 D8.1 D9.1 D10.1 D11.1 D12.1 D13.1 D14.1 D15.1 D16.1 D17.1 D18.1 D19.1 D20.1 D21.1 D22.1 D23.1 D24.1 D25.1 D26.1 D27.1 D28.1 D29.1 D30.1 D31.1 D32.1 D33.1 D34.1 D35.1 D36.1 D37.1 D38.1 D51.1 D52.1 D53.1 D54.1 D55.1 D56.1 D57.1 D58.1 D59.1 D60.1 D61.1 D62.1 D63.1 D64.1 D65.1 D66.1 D67.1 D68.1 D69.1 D70.1 D71.1 J2.23 J3.4 J4.4 J9.23 J12.4 J18.4 J20.4 J21.4 J22.4 J25.4 J26.3 J27.4 J28.3 J29.4 J30.3 J31.4 J32.3 J33.4 J34.3 K1.2 K2.2 K3.2 K4.2 R3.1 R4.1 R13.1 R14.1 R20.1 R21.1 R22.1 R23.1 R24.1 R25.1 R26.1 R28.1 R65.1 R67.1 R69.1 R71.1 R73.2 R74.2 R75.2 R76.2 R103.1 R104.1 RV2.3 RV3.3 RV5.3 TH1.1 TH2.1 TH3.1 TH4.1 TH5.1 U1.CN11_8 U1.CN11_19 U1.CN11_20 U1.CN11_22 U1.CN11_49 U1.CN11_60 U1.CN11_71 U1.CN11_72 U2.3 U2.8 U3.CN10_9 U3.CN10_20 U4.39 U5.1 U5.2 U5.3 U5.4 U6.1 U6.7 U7.6 U8.1 U8.3 U8.4 U9.CN10_9 U9.CN10_20 U10.6 U11.6 U12.6 U13.6 U14.4 U15.2 U16.8 U16.11 U16.14 U17.CN11_8 U17.CN11_19 U17.CN11_20 U17.CN11_22 U17.CN11_49 U17.CN11_60 U17.CN11_71 U17.CN11_72 U18.3 U18.8 U19.1 U20.6 U21.8 U21.11 U21.14 U22.2 U23.4 U24.8 U24.11 U24.14 U25.2 U26.4 U27.2 U28.2 U29.2 U30.2 U31.2 U36.3 U36.8 U37.1 U38.1 U39.1 U40.1
/ACM/ACM_LED_FAIL: J1.9 J8.9 R37.2
/ACM/ACM_LED_OK: J1.10 J8.10 R35.2
/ACM/ACM_LED_WARN: J1.11 J8.11 R36.2
/ACM/ACM_SPI_CS: J1.1 J8.1 U16.3
/ACM/ACM_SPI_MISO: J1.4 J8.4 U16.9
/ACM/ACM_SPI_MOSI: J1.2 J8.2 U16.7
/ACM/ACM_SPI_SCLK: J1.3 J8.3 U16.5
/ACM_CMD_RX: J1.7 J8.7 U1.CN11_2
/ACM_CMD_TX: J1.8 J8.8 U1.CN11_1
/ACM_DBG_RX: J1.6 J8.6 J26.2 R82.1 U19.3
/ACM_DBG_TX: J1.5 J8.5 R80.1 R81.2 U19.2
/AFFM/AFFM_filters/BPF_OUT: K3.7 K3.8
/AFFM/AFFM_filters/BPF_TOGGLE: K3.6 R62.1 SW3.1
/AFFM/AFFM_filters/BSF_OUT: K4.7 K4.8
/AFFM/AFFM_filters/BSF_TOGGLE: K4.6 R63.1 SW6.1
/AFFM/AFFM_filters/HPF_OUT: K2.7 K2.8
/AFFM/AFFM_filters/HPF_TOGGLE: K2.6 R60.1 SW7.1
/AFFM/AFFM_filters/LPF_IN: C20.2 K1.1 K1.14 R103.2
/AFFM/AFFM_filters/LPF_OUT: K1.7 K1.8 R58.2 R59.2
/AFFM/AFFM_filters/LPF_TOGGLE: K1.6 R61.1 SW8.1
/AFFM/AFFM_filters/LPFs/CFBACK_OUT: SW5.1 U33.3
/AFFM/AFFM_filters/LPFs/Fback_in: C20.1 R104.2 SW5.2 U42.2 U42.6
/AFFM/AFFM_filters/LPFs/RFBACK_OUT: SW5.3 U35.3
/AFFM/AFFM_filters/MONO_IN: C11.2 R51.2 R52.2
/APM/7SDD_CMD_RX: U1.CN11_63 U4.6
/APM/7SDD_CMD_TX: U1.CN12_61 U4.7
/APM/APM_I2C1_SCL: J4.3 U1.CN11_51
/APM/APM_I2C1_SDA: J4.2 U1.CN11_53
/APM/APM_LED_FAIL: R41.2 U1.CN12_34
/APM/APM_LED_OK: R39.2 U1.CN12_4
/APM/APM_LED_WARN: R40.2 U1.CN12_6
/APM/APM_USB_D+: J21.3 U1.CN12_14
/APM/APM_USB_D-: J21.2 U1.CN12_12
/APM_CAN_RD: U1.CN12_3 U29.1
/APM_CAN_TD: U1.CN12_5 U29.4
/APM_DAC_OUT_L: J12.2 J14.2 R51.1 TP1.1 U1.CN12_11
/APM_DAC_OUT_R: J12.3 J14.1 R52.1 TP2.1 U1.CN11_32
/APM_DBG_RX: J30.2 R92.1 U1.CN11_4 U38.3
/APM_DBG_TX: R90.2 R91.1 U1.CN11_3 U38.2
/CAN+: R44.1 R47.2 U27.7 U29.7 U30.7 U31.7
/CAN-: R44.2 R47.1 U27.6 U29.6 U30.6 U31.6
/DSM/DSM_I2C1_SCL: J3.3 U17.CN11_51
/DSM/DSM_I2C1_SDA: J3.2 U17.CN11_53
/DSM/DSM_LED_FAIL: R8.2 U17.CN12_34
/DSM/DSM_LED_OK: R6.2 U17.CN12_4
/DSM/DSM_LED_WARN: R7.2 U17.CN12_6
/DSM/DSM_USB_D+: J22.3 U17.CN12_14
/DSM/DSM_USB_D-: J22.2 U17.CN12_12
/DSM_CAN_RD: U17.CN12_3 U30.1
/DSM_CAN_TD: U17.CN12_5 U30.4
/DSM_DAC_IN_L: J13.1 J20.3 R58.1 TP4.1 U17.CN12_11
/DSM_DAC_IN_R: J13.2 J20.2 R59.1 TP3.1 U17.CN11_32
/DSM_DBG_RX: J32.2 R97.1 U17.CN11_4 U39.3
/DSM_DBG_TX: R95.2 R96.1 U17.CN11_3 U39.2
/FMC_CLK: J1.18 J8.18 U17.CN11_40
/FMC_D0: J2.1 J9.1 U17.CN12_46
/FMC_D1: J2.2 J9.2 U17.CN12_48
/FMC_D2: J2.3 J9.3 U17.CN11_57
/FMC_D3: J2.4 J9.4 U17.CN11_55
/FMC_D4: J2.5 J9.5 U17.CN12_44
/FMC_D5: J2.6 J9.6 U17.CN12_40
/FMC_D6: J2.7 J9.7 U17.CN12_52
/FMC_D7: J2.8 J9.8 U17.CN12_47
/FMC_D8: J2.9 J9.9 U17.CN12_56
/FMC_D9: J2.10 J9.10 U17.CN12_49
/FMC_D10: J2.11 J9.11 U17.CN12_55
/FMC_D11: J2.12 J9.12 U17.CN12_51
/FMC_D12: J2.13 J9.13 U17.CN12_53
/FMC_D13: J2.14 J9.14 U17.CN12_10
/FMC_D14: J2.15 J9.15 U17.CN11_69
/FMC_D15: J2.16 J9.16 U17.CN12_65
/FMC_NBL0: J1.23 J8.23 U17.CN12_64
/FMC_NBL1: J1.24 J8.24 U17.CN11_61
/FMC_NE: J1.21 J8.21 U17.CN12_19
/FMC_NL: J1.22 J8.22 U17.CN11_21
/FMC_NOE: J1.20 J8.20 U17.CN11_39
/FMC_NWE: J1.19 J8.19 U17.CN11_41
/IRQ0: U1.CN11_62 U17.CN11_47
/ISR0: U1.CN11_47 U17.CN11_62
/TDM/7SDD_VDD: R2.2 U20.7
/TDM/ACM_VDD: R29.2 U10.7
/TDM/APM_VDD: R30.2 U13.7
/TDM/DSM_VDD: R32.2 U11.7
/TDM/TDM_I2C1_SCL: J18.3 R11.1 U5.6 U6.4 U7.4 U8.6 U9.CN10_3 U10.4 U11.4 U12.4 U13.4 U20.4
/TDM/TDM_I2C1_SDA: J18.2 R12.1 U5.5 U6.5 U7.3 U8.5 U9.CN10_5 U10.3 U11.3 U12.3 U13.3 U20.3
/TDM/TDM_LED_FAIL: R18.2 U9.CN10_6
/TDM/TDM_LED_OK: R16.2 U9.CN10_11
/TDM/TDM_LED_WARN: R17.2 U9.CN10_34
/TDM/UUM_VDD: R31.2 U12.7
/TDM_CAN_RD: U9.CN10_14 U31.1
/TDM_CAN_TD: U9.CN10_12 U31.4
/TDM_DBG_RX: J28.2 R87.1 U9.CN10_37 U37.3
/TDM_DBG_TX: R85.2 R86.1 U9.CN10_35 U37.2
/USB_debug_ACM/D+: J25.3 U19.5
/USB_debug_ACM/D-: J25.2 U19.6
/USB_debug_ACM/DBG_TX: J26.1 R81.1
/USB_debug_APM/D+: J29.3 U38.5
/USB_debug_APM/D-: J29.2 U38.6
/USB_debug_APM/DBG_TX: J30.1 R90.1
/USB_debug_DSM/D+: J31.3 U39.5
/USB_debug_DSM/D-: J31.2 U39.6
/USB_debug_DSM/DBG_TX: J32.1 R95.1
/USB_debug_TDM/D+: J27.3 U37.5
/USB_debug_TDM/D-: J27.2 U37.6
/USB_debug_TDM/DBG_TX: J28.1 R85.1
/USB_debug_UUM/D+: J33.3 U40.5
/USB_debug_UUM/D-: J33.2 U40.6
/USB_debug_UUM/DBG_TX: J34.1 R100.1
/UUM/UUM_LED_FAIL: R49.2 U3.CN7_38
/UUM/UUM_LED_OK: R46.2 U3.CN7_35
/UUM/UUM_LED_WARN: R48.2 U3.CN7_36
/UUM/UUM_SPI1_CS: U3.CN10_23 U21.3
/UUM/UUM_SPI1_MISO: U3.CN10_13 U28.6
/UUM/UUM_SPI1_MOSI: U3.CN10_15 U21.7 U24.7
/UUM/UUM_SPI1_SCLK: U3.CN10_11 U21.5 U24.5
/UUM/UUM_SPI2_CS: U3.CN10_21 U24.3
/UUM/UUM_SPI_SEL: R43.1 U3.CN7_25 U28.4
/UUM/UUM_spiflash/UUM_SPI1_MISO_A: U21.9 U28.3
/UUM/UUM_spiflash/UUM_SPI1_MISO_B: U24.9 U28.1
/UUM_CAN_RD: U3.CN10_3 U27.1
/UUM_CAN_TD: U3.CN10_5 U27.4
/UUM_DBG_RX: J34.2 R102.1 U3.CN10_37 U40.3
/UUM_DBG_TX: R100.2 R101.1 U3.CN10_35 U40.2
ACM_VDD: C25.2 J2.18 J9.18 J25.1 R34.2 R72.2 R79.2 U15.1 U15.3 U19.16
